# Altium PCB ASCII_LimeSDR-USB_1v4s.PcbDoc (part 2 of 10)
Units mm, origin at the board's own origin, x right, y up, seen from the top; angles counter-clockwise.
Board outline 100 x 60 mm, 12 copper layers (Top, L2, L3, L4, L5, L6, L7, L8, L9, L10, L11, Bottom), stack 1.58 mm thick; 858 components, 627 nets, 4058 pads, 2110 vias.
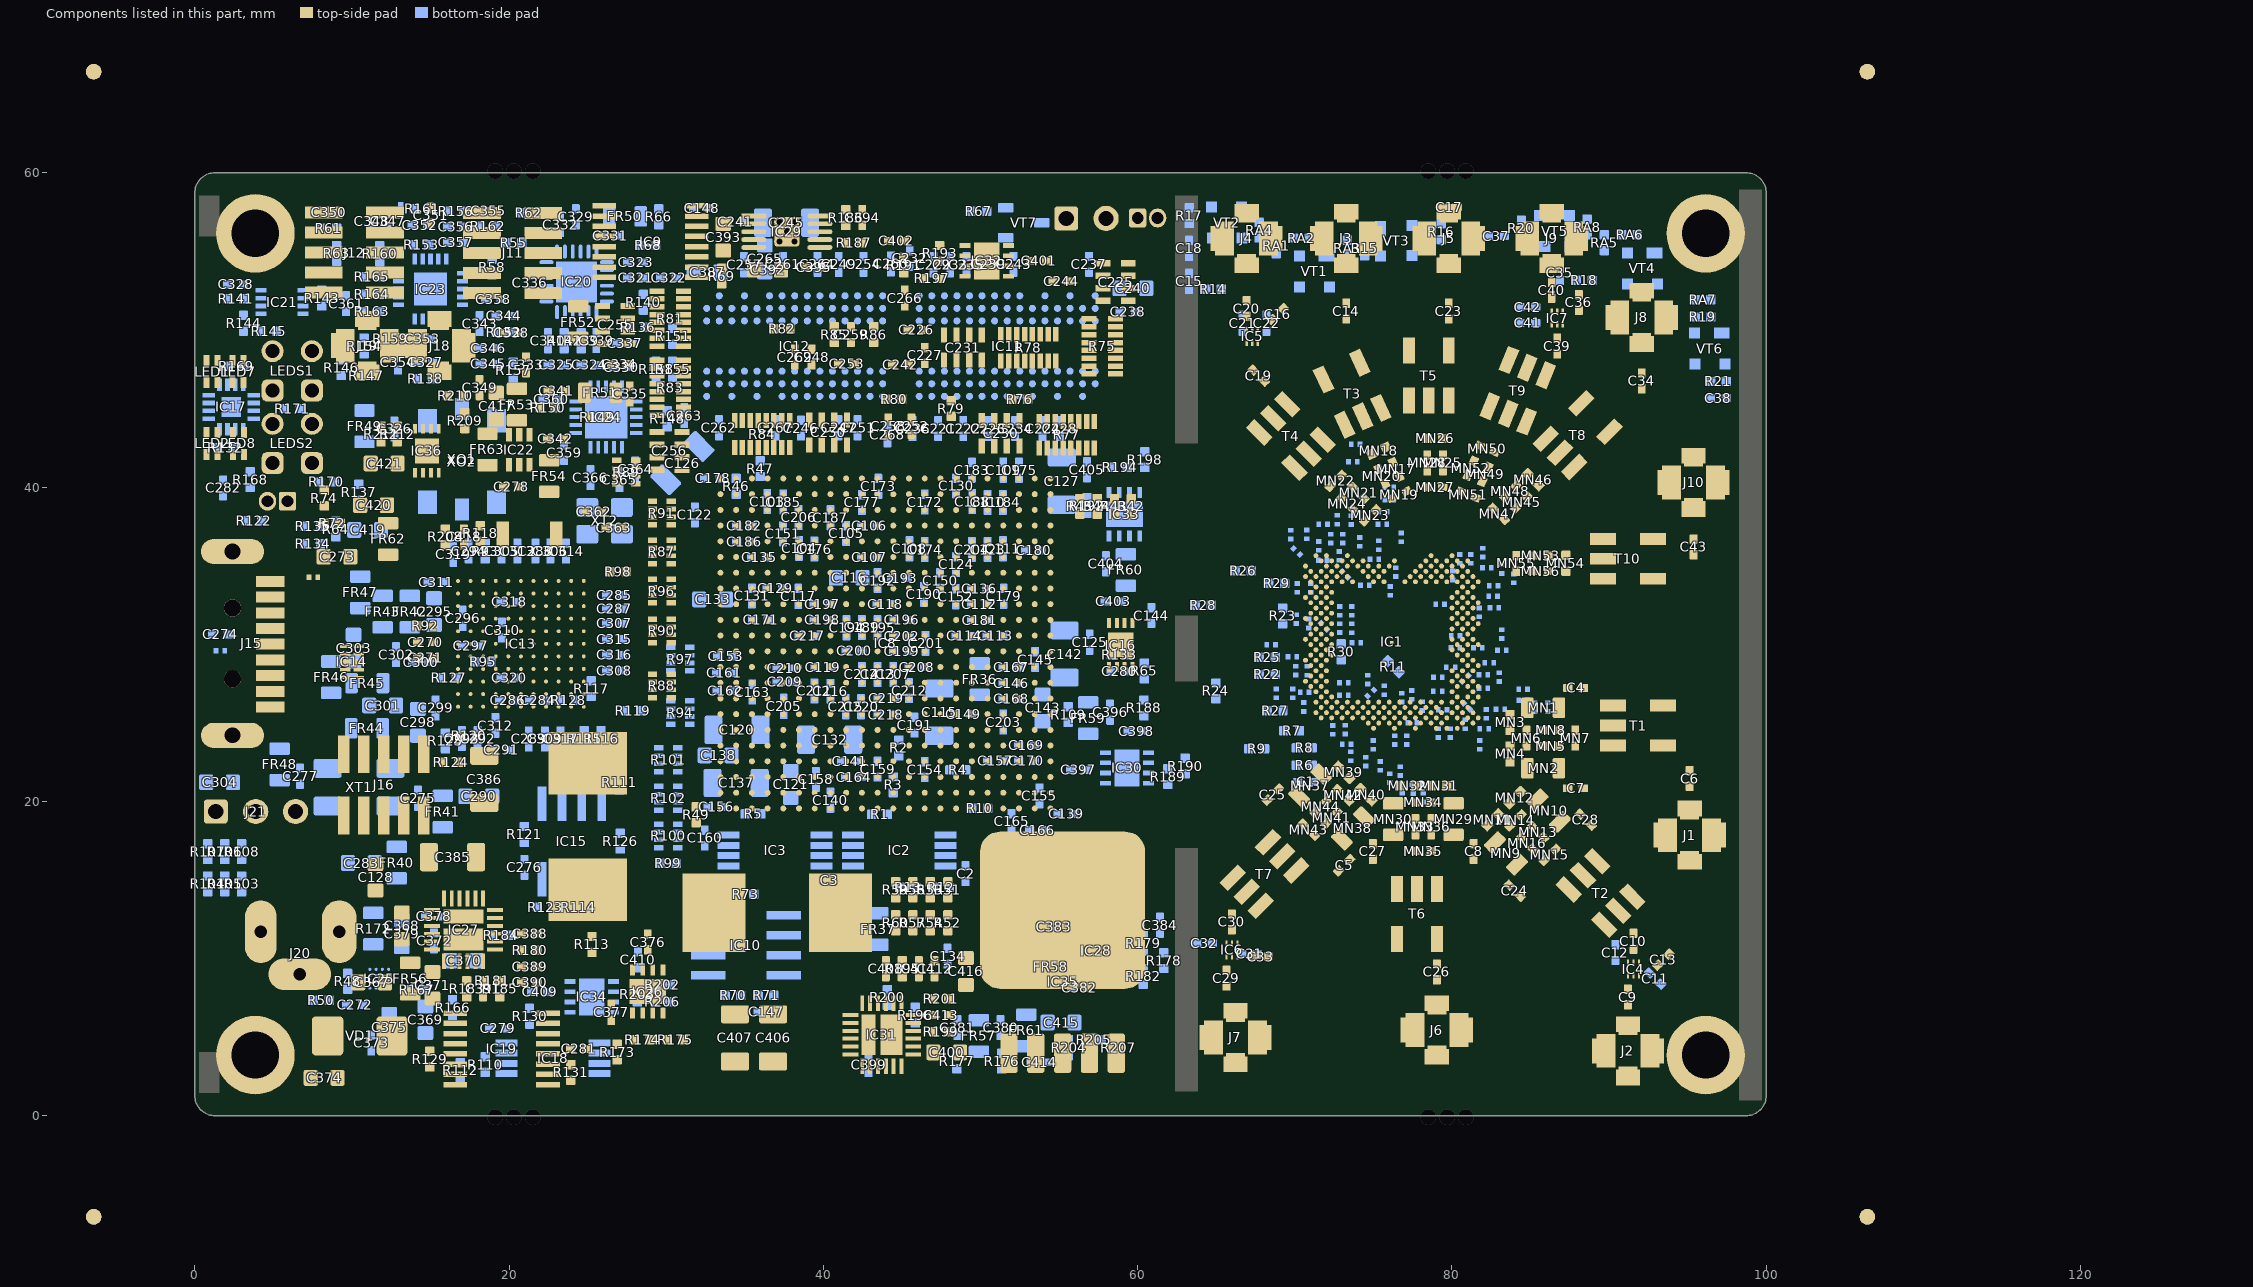
[diagram p10: the components of this part, seen from the top]

## Components (designator, comment, footprint, x,y, rotation, side; value= is the part's Value field where it differs from the comment) (continued)
C92 "1uF, 20%" CAP0201 74.463,33.744 r0 bottom
C93 "1uF, 20%" CAP0201 80.486,35.434 r90 bottom
C94 "1uF, 20%" CAP0201 79.926,28.526 r180 bottom
C95 "1uF, 20%" CAP0201 72.276,36.719 r90 bottom
C96 "1uF, 20%" CAP0201 71.796,37.644 r180 bottom
C97 "1uF, 20%" CAP0201 71.771,35.339 r180 bottom
C98 "1uF, 20%" CAP0201 71.525,36.255 r90 bottom
C99 "1uF, 20%" CAP0201 70.123,35.902 r315 bottom
C100 "1uF, 20%" CAP0201 79.251,32.544 r180 bottom
C101 "1uF, 20%" CAP0201 81.75,32.027 r270 bottom
C102 "1uF, 20%" CAP0201 82.651,33.719 r0 bottom
C103 "100nF, 16V" CAP0402#1 36.425,39.075 r270 bottom
C104 "100nF, 16V" CAP0402#1 38.45,36.1 r270 bottom
C105 "100nF, 16V" CAP0402#1 41.45,37.05 r270 bottom
C106 "100nF, 16V" CAP0402#1 42.925,37.525 r0 bottom
C107 "100nF, 16V" CAP0402#1 42.925,35.525 r180 bottom
C108 "100nF, 16V" CAP0402#1 45.475,36.075 r270 bottom
C109 "100nF, 16V" CAP0402#1 51.45,41.075 r90 bottom
C110 "100nF, 16V" CAP0402#1 50.45,39.025 r90 bottom
C111 "100nF, 16V" CAP0402#1 51.425,36.075 r90 bottom
C112 "100nF, 16V" CAP0402#1 49.925,32.55 r0 bottom
C113 "100nF, 16V" CAP0402#1 50.925,30.525 r0 bottom
C114 "100nF, 16V" CAP0402#1 48.95,30.525 r180 bottom
C115 "220uF, 4V" CAP1206#1 47.375,25.675 r90 bottom
C116 "10uF, 6.3V" CAP0603#1 41.65,34.225 r0 bottom
C117 "4.7uF, 6.3V" CAP0402#1 38.4,33.05 r90 bottom
C118 "1uF, 10V" CAP0402#1 43.925,32.55 r180 bottom
C119 "100nF, 16V" CAP0402#1 39.975,28.55 r180 bottom
C120 "220uF, 4V" CAP1206#1 34.5,24.55 r0 bottom
C121 "10uF, 6.3V" CAP0603#1 37.925,21.075 r90 bottom
C122 "4.7uF, 6.3V" CAP0402#1 31.825,38.225 r270 bottom
C123 "1uF, 10V" CAP0402#1 50.45,36.025 r90 bottom
C124 "100nF, 16V" CAP0402#1 48.45,35.075 r90 bottom
C125 "100nF, 16V" CAP0402#1 56.95,30.125 r90 bottom
C126 "220uF, 4V" CAP1206#1 31.025,41.525 r45 bottom
C127 "100uF, 6.3V" CAP1206#1 55.175,40.375 r270 bottom
C128 "10uF, 6.3V" CAP0603#2 11.5,15.175 r270 top
C129 "4.7uF, 6.3V" CAP0402#1 36.925,33.575 r180 bottom
C130 "1uF, 10V" CAP0402#1 48.45,40.075 r90 bottom
C131 "100nF, 16V" CAP0402#1 35.45,33.075 r270 bottom
C132 "100uF, 6.3V" CAP1206#1 40.4,23.925 r180 bottom
C133 "10uF, 6.3V" CAP0603#1 32.95,32.85 r0 bottom
C134 "4.7uF, 6.3V" CAP0402#1 47.9,10.15 r90 bottom
C135 "1uF, 10V" CAP0402#1 35.925,35.525 r0 bottom
C136 "100nF, 16V" CAP0402#1 49.925,33.525 r0 bottom
C137 "100uF, 6.3V" CAP1206#1 34.45,21.175 r0 bottom
C138 "10uF, 6.3V" CAP0603#1 33.3,22.925 r0 bottom
C139 "4.7uF, 6.3V" CAP0402#1 55.45,19.2 r180 bottom
C140 "1uF, 10V" CAP0402#1 40.45,20.075 r90 bottom
C141 "100nF, 16V" CAP0402#1 41.675,22.55 r0 bottom
C142 "100uF, 6.3V" CAP1206#1 55.35,29.375 r270 bottom
C143 "10uF, 6.3V" CAP0603#1 53.95,25.95 r270 bottom
C144 "4.7uF, 6.3V" CAP0402#1 60.875,31.825 r90 bottom
C145 "1uF, 10V" CAP0402#1 53.475,29.025 r270 bottom
C146 "100nF, 16V" CAP0402#1 51.95,27.525 r0 bottom
C147 "100nF, 16V" CAP0402#1 36.35,6.6 r0 bottom
C148 "100nF, 16V" CAP0402#1 32.25,57.75 r0 bottom
C149 "100nF, 16V" CAP0402#1 48.9,25.55 r180 bottom
C150 "100nF, 16V" CAP0402#1 47.425,34.05 r90 bottom
C151 "100nF, 16V" CAP0402#1 37.425,37.025 r90 bottom
C152 "100nF, 16V" CAP0402#1 48.425,33.025 r270 bottom
C153 "100nF, 16V" CAP0402#1 33.775,29.225 r180 bottom
C154 "100nF, 16V" CAP0402#1 46.45,22.025 r270 bottom
C155 "100nF, 16V" CAP0402#1 53.75,20.35 r90 bottom
C156 "100nF, 16V" CAP0402#1 33.175,19.65 r180 bottom
C157 "100nF, 16V" CAP0402#1 50.95,22.575 r0 bottom
C158 "100nF, 16V" CAP0402#1 39.525,21.4 r270 bottom
C159 "100nF, 16V" CAP0402#1 43.45,22.05 r270 bottom
C160 "100nF, 16V" CAP0402#1 32.45,17.675 r270 bottom
C161 "100nF, 16V" CAP0402#1 33.7,28.175 r180 bottom
C162 "100nF, 16V" CAP0402#1 33.75,27.05 r180 bottom
C163 "100nF, 16V" CAP0402#1 35.475,26.95 r90 bottom
C164 "100nF, 16V" CAP0402#1 41.925,21.55 r0 bottom
C165 "100nF, 16V" CAP0402#1 51.975,18.725 r270 bottom
C166 "100nF, 16V" CAP0402#1 53.625,18.175 r0 bottom
C167 "100nF, 16V" CAP0402#1 51.95,28.525 r0 bottom
C168 "100nF, 16V" CAP0402#1 51.95,26.525 r0 bottom
C169 "100nF, 16V" CAP0402#1 52.925,23.575 r0 bottom
C170 "100nF, 16V" CAP0402#1 52.925,22.575 r0 bottom
C171 "100nF, 16V" CAP0402#1 36,31.55 r180 bottom
C172 "100nF, 16V" CAP0402#1 46.45,39.05 r90 bottom
C173 "100nF, 16V" CAP0402#1 43.5,40.05 r90 bottom
C174 "100nF, 16V" CAP0402#1 46.45,36.025 r270 bottom
C175 "100nF, 16V" CAP0402#1 52.45,41.075 r90 bottom
C176 "100nF, 16V" CAP0402#1 39.425,36.05 r270 bottom
C177 "100nF, 16V" CAP0402#1 42.45,39.025 r90 bottom
C178 "100nF, 16V" CAP0402#1 32.95,40.55 r180 bottom
C179 "100nF, 16V" CAP0402#1 51.475,33.05 r270 bottom
C180 "100nF, 16V" CAP0402#1 53.375,35.975 r0 bottom
C181 "100nF, 16V" CAP0402#1 49.95,31.525 r180 bottom
C182 "100nF, 16V" CAP0402#1 34.975,37.525 r180 bottom
C183 "100nF, 16V" CAP0402#1 49.45,41.075 r90 bottom
C184 "100nF, 16V" CAP0402#1 51.425,39.025 r90 bottom
C185 "100nF, 16V" CAP0402#1 37.45,39.05 r90 bottom
C186 "100nF, 16V" CAP0402#1 34.975,36.525 r180 bottom
C187 "100nF, 16V" CAP0402#1 40.45,38.05 r270 bottom
C188 "100nF, 16V" CAP0402#1 49.475,39.075 r90 bottom
C189 "100nF, 16V" CAP0402#1 42.45,31.075 r270 bottom
C190 "100nF, 16V" CAP0402#1 46.4,33.175 r90 bottom
C191 "100nF, 16V" CAP0402#1 45.8,24.85 r270 bottom
C192 "100nF, 16V" CAP0402#1 43.45,34.05 r90 bottom
C193 "100nF, 16V" CAP0402#1 44.85,34.2 r180 bottom
C194 "100nF, 16V" CAP0402#1 41.475,31.05 r270 bottom
C195 "100nF, 16V" CAP0402#1 43.45,31.05 r270 bottom
C196 "100nF, 16V" CAP0402#1 45,31.55 r180 bottom
C197 "100nF, 16V" CAP0402#1 39.925,32.55 r180 bottom
C198 "100nF, 16V" CAP0402#1 39.925,31.55 r180 bottom
C199 "100nF, 16V" CAP0402#1 44.975,29.55 r180 bottom
C200 "100nF, 16V" CAP0402#1 41.95,29.575 r0 bottom
C201 "100nF, 16V" CAP0402#1 46.5,30.05 r270 bottom
C202 "100nF, 16V" CAP0402#1 44.975,30.5 r180 bottom
C203 "100nF, 16V" CAP0402#1 51.45,25.05 r90 bottom
C204 "100nF, 16V" CAP0402#1 49.45,36.025 r90 bottom
C205 "100nF, 16V" CAP0402#1 37.475,26.05 r90 bottom
C206 "100nF, 16V" CAP0402#1 38.425,38.075 r90 bottom
C207 "100nF, 16V" CAP0402#1 44.45,28.075 r90 bottom
C208 "100nF, 16V" CAP0402#1 45.95,28.55 r0 bottom
C209 "100nF, 16V" CAP0402#1 37.55,27.6 r180 bottom
C210 "100nF, 16V" CAP0402#1 37.55,28.475 r180 bottom
C211 "100nF, 16V" CAP0402#1 39.425,27.025 r270 bottom
C212 "100nF, 16V" CAP0402#1 45.45,27.05 r270 bottom
C213 "100nF, 16V" CAP0402#1 43.45,28.075 r90 bottom
C214 "100nF, 16V" CAP0402#1 42.45,28.075 r90 bottom
C215 "100nF, 16V" CAP0402#1 41.425,26.025 r270 bottom
C216 "100nF, 16V" CAP0402#1 40.45,27 r270 bottom
C217 "100nF, 16V" CAP0402#1 38.975,30.525 r180 bottom
C218 "100nF, 16V" CAP0402#1 43.975,25.525 r180 bottom
C219 "100nF, 16V" CAP0402#1 44,26.55 r180 bottom
C220 "100nF, 16V" CAP0402#1 42.4,26.025 r90 bottom
C221 "100nF, 16V" CAP0402#1 47.3,43.725 r270 bottom
C222 "100nF, 16V" CAP0402#1 48.9,43.725 r270 bottom
C223 "100nF, 16V" CAP0402#1 50.5,43.725 r270 bottom
C224 "100nF, 16V" CAP0402#1 53.95,43.725 r270 bottom
C225 "0.1uF" CKCA43X7R1C104M100AA 58.6,53.05 r180 top
C226 "100nF, 16V" CAP0402#2 45.9,50 r180 top
C227 "100nF, 16V" CAP0402#2 46.45,48.375 r90 top
C228 "100nF, 16V" CAP0402#1 55.05,43.725 r270 bottom
C229 "100nF, 16V" CAP0402#1 47,54.15 r90 bottom
C230 "0.1uF" CKCA43X7R1C104M100AA 51.275,43.425 r90 top
C231 "0.1uF" CKCA43X7R1C104M100AA 48.875,48.875 r90 top
C232 "100nF, 16V" CAP0402#1 45.5,54.55 r90 bottom
C233 "100nF, 16V" CAP0402#1 48.075,54.15 r90 bottom
C234 "100nF, 16V" CAP0402#1 52.2,43.725 r270 bottom
C235 "100nF, 16V" CAP0402#1 49.1,54.15 r90 bottom
C236 "100nF, 16V" CAP0402#1 45.675,43.725 r270 bottom
C237 "100nF, 16V" CAP0402#1 56.9,54.175 r90 bottom
C238 "100nF, 16V" CAP0402#1 59.375,51.15 r0 bottom
C239 "100nF, 16V" CAP0402#1 50.5,54.175 r90 bottom
C240 "10uF, 6.3V" CAP0603#1 59.7,52.65 r180 bottom
C241 "4.7uF, 6.3V" CAP0402#1 34.4,56.875 r0 bottom
C242 "1uF, 10V" CAP0402#2 44.9,47.8 r0 top
C243 "100nF, 16V" CAP0402#1 52.1,54.175 r90 bottom
C244 "100nF, 16V" CAP0402#2 55.125,53.1 r0 top
C245 "220uF, 4V" CAP1206#1 37.65,56.825 r180 bottom
C246 "100nF, 16V" CAP0402#1 38.575,43.75 r270 bottom
C247 "100nF, 16V" CAP0402#1 40.975,43.775 r270 bottom
C248 "100nF, 16V" CAP0402#2 39.25,48.275 r90 top
C249 "100nF, 16V" CAP0402#1 40.975,54.175 r90 bottom
C250 "0.1uF" CKCA43X7R1C104M100AA 40.3,43.475 r90 top
C251 "100nF, 16V" CAP0402#1 42.175,43.775 r270 bottom
C252 "100nF, 16V" CAP0402#2 45.6,43.875 r270 top
C253 "100nF, 16V" CAP0402#2 41.475,47.85 r180 top
C254 "100nF, 16V" CAP0402#1 42.55,54.175 r90 bottom
C255 "0.1uF" CKCA43X7R1C104M100AA 26.75,50.325 r180 top
C256 "0.1uF" CKCA43X7R1C104M100AA 30.2,42.3 r0 top
C257 "100nF, 16V" CAP0402#1 34.95,54.15 r90 bottom
C258 "100nF, 16V" CAP0402#2 44.125,43.875 r270 top
C259 "100nF, 16V" CAP0402#2 41.75,49.7 r270 top
C260 "100nF, 16V" CAP0402#1 44.3,54.2 r90 bottom
C261 "100nF, 16V" CAP0402#1 37.425,54.175 r90 bottom
C262 "100nF, 16V" CAP0402#1 33.35,43.775 r270 bottom
C263 "100nF, 16V" CAP0402#1 31.15,44.55 r270 bottom
C264 "100nF, 16V" CAP0402#1 39.625,54.175 r90 bottom
C265 "10uF, 6.3V" CAP0603#1 36.275,54.525 r270 bottom
C266 "4.7uF, 6.3V" CAP0402#2 45.175,52.025 r90 top
C267 "1uF, 10V" CAP0402#1 36.95,43.775 r90 bottom
C268 "100nF, 16V" CAP0402#1 44.075,43.325 r270 bottom
C269 "100nF, 16V" CAP0402#2 38.175,48.275 r90 top
C270 "100nF, 16V" CAP0402#2 14.675,30.125 r0 top
C271 "100nF, 16V" CAP0402#2 14.675,29.125 r180 top
C272 "100nF, 16V" CAP0402#1 10.175,7.05 r180 bottom
C273 "1uF, 16V" CAP0603#2 9.05,35.575 r180 top
C274 "100nF, 16V" CAP0402#1 1.625,30.625 r0 bottom
C275 "13pF, 5%" CAP0402#1 14.2,20.2 r270 bottom
C276 "100nF, 16V" CAP0402#1 20.975,15.8 r270 bottom
C277 "13pF, 5%" CAP0402#1 6.7,21.6 r90 bottom
C278 "100nF, 16V" CAP0402#2 20.15,40.025 r0 top
C279 "100nF, 16V" CAP0402#1 19.275,5.55 r180 bottom
C280 "100nF, 16V" CAP0402#1 58.825,28.275 r0 bottom
C281 "100nF, 16V" CAP0402#2 24.425,4.25 r0 top
C282 "100nF, 16V" CAP0402#1 1.8,39.95 r270 bottom
C283 "22uF, 10V" CAP0603#1 10.6,16.075 r0 bottom
C284 "100nF, 16V" CAP0402#1 21.825,26.425 r0 bottom
C285 "100nF, 16V" CAP0402#1 26.7,33.125 r0 bottom
C286 "10nF, 10%" CAP0402#1 19.9,26.425 r0 bottom
C287 "10nF, 10%" CAP0402#1 26.7,32.25 r180 bottom
C288 "100nF, 16V" CAP0402#1 21.675,35.925 r90 bottom
C289 "10nF, 10%" CAP0402#1 21.25,23.975 r90 bottom
C290 "22uF, 10V" CAP0603#1 18.075,20.325 r180 bottom
C291 "100nF, 16V" CAP0402#1 19.5,23.275 r0 bottom
C292 "10nF, 10%" CAP0402#1 18,24 r90 bottom
C293 "100nF, 16V" CAP0402#1 17,24 r270 bottom
C294 "10nF, 10%" CAP0402#1 17.425,35.925 r270 bottom
C295 "10uF, 6.3V" CAP0603#1 15.225,32.075 r270 bottom
C296 "100nF, 16V" CAP0402#1 17.05,31.65 r90 bottom
C297 "10nF, 10%" CAP0402#1 17.55,29.9 r180 bottom
C298 "22uF, 10V" CAP0603#1 14.2,25.025 r90 bottom
C299 "100nF, 16V" CAP0402#1 15.325,25.95 r270 bottom
C300 "100nF, 16V" CAP0402#1 14.375,28.85 r180 bottom
C301 "22uF, 10V" CAP0603#1 11.95,26.1 r0 bottom
C302 "100nF, 16V" CAP0402#1 12.81,29.335 r270 bottom
C303 "22uF, 10V" CAP0603#1 10.1,29.75 r90 bottom
C304 "22uF, 10V" CAP0603#1 1.575,21.212 r0 bottom
C305 "100nF, 16V" CAP0402#1 19.525,35.925 r90 bottom
C306 "100nF, 16V" CAP0402#1 22.625,35.925 r90 bottom
C307 "100nF, 16V" CAP0402#1 26.7,31.325 r0 bottom
C308 "100nF, 16V" CAP0402#1 26.7,28.325 r0 bottom
C309 "100nF, 16V" CAP0402#1 22.275,23.975 r270 bottom
C310 "100nF, 16V" CAP0402#1 19.55,30.9 r270 bottom
C311 "100nF, 16V" CAP0402#1 15.35,33.95 r180 bottom
C312 "100nF, 16V" CAP0402#1 19.125,24.825 r270 bottom
C313 "10nF, 10%" CAP0402#1 20.525,35.925 r270 bottom
C314 "10nF, 10%" CAP0402#1 23.625,35.925 r270 bottom
C315 "10nF, 10%" CAP0402#1 26.7,30.325 r180 bottom
C316 "10nF, 10%" CAP0402#1 26.7,29.325 r180 bottom
C317 "10nF, 10%" CAP0402#1 23.275,23.975 r90 bottom
C318 "10nF, 10%" CAP0402#1 20,32.7 r180 bottom
C319 "10nF, 10%" CAP0402#1 16.45,35.725 r270 bottom
C320 "10nF, 10%" CAP0402#1 20,27.875 r180 bottom
C321 "100nF, 16V" CAP0402#1 28.05,53.313 r0 bottom
C322 "100nF, 16V" CAP0402#1 30.15,53.313 r0 bottom
C323 "100nF, 16V" CAP0402#1 28.05,54.313 r180 bottom
C324 "47pF" CAP0402#1 25.1,47.775 r180 bottom
C325 "47pF" CAP0402#1 23,47.775 r0 bottom
C326 "1uF, 10V" CAP0402#1 12.7,43.7 r90 bottom
C327 "100nF, 16V" CAP0402#1 14.65,47.95 r180 bottom
C328 "100nF, 16V" CAP0402#1 2.6,52.9 r0 bottom
C329 "1uF, 10V" CAP0402#1 24.25,57.2 r270 bottom
C330 "100nF, 16V" CAP0402#1 27.15,47.625 r0 bottom
C331 "100pF, 50V" CAP0402#1 26.45,56 r180 bottom
C332 "100pF, 50V" CAP0402#1 23.25,56.7 r270 bottom
C333 "1uF, 10V" CAP0402#2 21.075,47.775 r90 top
C334 "1uF, 10V" CAP0402#2 27.025,47.825 r0 top
C335 "100nF, 16V" CAP0402#2 27.675,45.925 r90 top
C336 "100pF, 50V" CAP0402#1 21.3,53 r270 bottom
C337 "100pF, 50V" CAP0402#1 27.35,49.15 r0 bottom
C338 "100nF, 16V" CAP0402#2 20.15,49.825 r0 top
C339 "100pF, 50V" CAP0402#1 25.55,49.325 r90 bottom
C340 "100pF, 50V" CAP0402#1 22.475,49.313 r90 bottom
C341 "1uF, 10V" CAP0402#2 23,46.125 r180 top
C342 "100nF, 16V" CAP0402#2 22.95,43.075 r0 top
C343 "100pF, 50V" CAP0402#1 18.125,50.4 r270 bottom
C344 "100pF, 50V" CAP0402#1 19.675,50.9 r0 bottom
C345 "100nF, 16V" CAP0402#1 18.675,47.85 r180 bottom
C346 "100nF, 16V" CAP0402#1 18.675,48.85 r180 bottom
C347 "100pF, 50V" CAP0402#1 12.275,56.925 r90 bottom
C348 "100pF, 50V" CAP0402#1 11.275,56.925 r90 bottom
C349 "100pF, 50V" CAP0402#2 18.125,46.325 r270 top
C350 "100pF, 50V" CAP0402#1 8.525,57.5 r180 bottom
C351 "100pF, 50V" CAP0402#2 15,57.3 r270 top
C352 "100nF, 16V" CAP0402#1 14.325,56.675 r180 bottom
C353 "1nF, 10%" CAP0402#1 14.475,49.425 r0 bottom
C354 "1nF, 10%" CAP0402#1 12.925,47.95 r90 bottom
C355 "22pF, 5%" CAP0402#1 18.675,57.575 r180 bottom
C356 "22pF, 5%" CAP0402#1 16.6,56.575 r180 bottom
C357 "22pF, 5%" CAP0402#1 16.6,55.575 r180 bottom
C358 "220pF, 10%" CAP0402#1 19,51.95 r0 bottom
C359 "100nF, 16V" CAP0402#1 23.5,42.2 r270 bottom
C360 "100nF, 16V" CAP0402#1 22.675,45.575 r180 bottom
C361 "10pF, 25V" CAP0402#1 9.625,51.675 r270 bottom
C362 "10pF, 25V" CAP0402#2 25.4,38.425 r180 top
C363 "10pF, 25V" CAP0402#2 26.675,37.425 r0 top
C364 "100nF, 16V" CAP0402#1 28.025,41.15 r270 bottom
C365 "100nF, 16V" CAP0402#1 27.025,40.475 r270 bottom
C366 "100nF, 16V" CAP0402#1 25.175,40.6 r270 bottom
C367 "10uF, 25V" CAP0603#2 11.25,8.475 r0 top
C368 "10uF, 25V" CAP0603#2 13.175,12.075 r270 top
C369 "10uF, 25V" CAP0603#1 14.675,6.1 r90 bottom
C370 "10uF, 25V" CAP0603#1 17.1,9.85 r180 bottom
C371 "10uF, 25V" CAP0603#2 15.125,8.3 r90 top
C372 "100nF, 16V" CAP0402#1 15.225,11.125 r90 bottom
C373 "100nF, 16V" CAP0402#1 11.225,4.625 r90 bottom
C374 "10uF, 25V" CAP0603#2 8.225,2.4 r180 top
C375 "10uF, 16V" CAP0603#1 12.375,5.625 r90 bottom
C376 "4.7uF, 6.3V" CAP0402#2 28.825,11.05 r270 top
C377 "4.7uF, 6.3V" CAP0402#2 26.5,6.575 r270 top
C378 "100nF, 16V" CAP0402#1 15.2,12.675 r0 bottom
C379 "10uF, 25V" CAP0603#1 13.175,11.575 r270 bottom
C380 "1uF, 10V" CAP0402#1 51.275,5.6 r90 bottom
C381 "100nF, 16V" CAP0402#1 48.525,5.6 r270 bottom
C382 "1uF, 10V" CAP0402#1 56.29,8.139 r180 bottom
C383 "4.7uF, 6.3V" CAP0402#1 54.665,12.014 r270 bottom
C384 "4.7uF, 6.3V" CAP0402#1 61.415,12.114 r270 bottom
C385 "100uF, 6.3V" CAP1206#2 16.4,16.45 r0 top
C386 "100uF, 6.3V" CAP1206#2 18.425,21.4 r270 top
C387 "10uF, 6.3V" CAP0603#1 32.6,53.675 r0 bottom
C388 "1uF, 10V" CAP0402#2 21.3,11.575 r0 top
C389 "4.7pF, 50V" CAP0402#2 21.3,9.475 r0 top
C390 "1200pF, 50V" CAP0402#2 21.3,8.475 r0 top
C391 "22nF, 50V" CAP0402#2 18.35,8.075 r270 top
C392 "10uF, 6.3V" CAP0603#2 36.45,53.825 r180 top
C393 "10uF, 6.3V" CAP0603#2 33.625,55.9 r90 top
C394 "1uF, 10V" CAP0402#2 42.475,57.15 r90 top
C395 "100nF, 16V" CAP0402#2 39.375,53.975 r180 top
C396 "1uF, 10V" CAP0402#1 58.25,25.675 r90 bottom
C397 "4.7uF, 6.3V" CAP0402#1 56.225,22 r0 bottom
C398 "4.7uF, 6.3V" CAP0402#1 59.9,24.475 r0 bottom
C399 "100nF, 16V" CAP0402#1 42.875,3.25 r90 bottom
C400 "10uF, 25V" CAP0603#2 47.85,4.025 r180 top
C401 "4.7uF, 6.3V" CAP0402#2 53.71,54.4 r180 top
C402 "4.7uF, 6.3V" CAP0402#2 44.65,55.675 r0 top
C403 "1uF, 10V" CAP0402#1 58.45,32.725 r0 bottom
C404 "4.7uF, 6.3V" CAP0402#1 57.975,35.125 r90 bottom
C405 "4.7uF, 6.3V" CAP0402#1 56.775,41.1 r270 bottom
C406 "220uF, 4V" CAP1206#2 36.8,4.95 r90 top
C407 "220uF, 4V" CAP1206#2 34.375,4.95 r90 top
C408 "1uF, 10V" CAP0402#2 43.975,9.35 r90 top
C409 "4.7uF, 6.3V" CAP0402#1 21.95,7.875 r0 bottom
C410 "4.7uF, 6.3V" CAP0402#1 28.2,9.925 r270 bottom
C411 "68pF, 25V" CAP0402#2 46.075,9.35 r90 top
C412 "1500pF, 50V" CAP0402#2 47.075,9.35 r90 top
C413 "22nF, 50V" CAP0402#2 47.475,6.4 r0 top
C414 "4.7uF, 6.3V" CAP0402#1 53.725,3.4 r180 bottom
C415 "10uF, 6.3V" CAP0603#1 55.125,5.925 r0 bottom
C416 "10uF, 16V" CAP0603#2 49.075,9.175 r270 top
C417 "10uF, 6.3V" CAP0603#2 19.175,45.15 r270 top
C418 "4.7uF, 6.3V" CAP0402#2 17.125,36.825 r90 top
C419 "10uF, 25V" CAP0603#1 11,37.275 r0 bottom
C420 "10uF, 25V" CAP0603#2 11.375,38.85 r0 top
C421 "10uF, 25V" CAP0603#2 12.05,41.5 r0 top
F1 "Fiducial" Fiducial -6.437,-6.437 r0 top
F2 "Fiducial" Fiducial -6.437,66.437 r0 top
F3 "Fiducial" Fiducial 106.437,-6.437 r0 top
F4 "Fiducial" Fiducial 106.437,66.437 r0 top
FR1 "600R, 0.27A" RES0201 79.901,24.344 r270 bottom
FR2 "600R, 0.27A" RES0201 72.401,24.544 r90 bottom
FR3 "600R, 0.27A" RES0201 76.7,21.92 r270 bottom
FR4 "600R, 0.27A" RES0201 73.126,27.544 r0 bottom
FR5 "600R, 0.27A" RES0201 73.87,42.725 r0 bottom
FR6 "600R, 0.27A" RES0201 77.72,21.089 r180 bottom
FR7 "600R, 0.27A" RES0201 76.839,20.805 r90 bottom
FR8 "600R, 0.27A" RES0201 77.476,24.994 r0 bottom
FR9 "600R, 0.27A" RES0201 83.156,30.649 r270 bottom
FR10 "600R, 0.27A" RES0201 84.53,26.425 r180 bottom
FR11 "600R, 0.27A" RES0201 77.126,23.894 r270 bottom
FR12 "600R, 0.27A" RES0201 83.081,25.849 r0 bottom
FR13 "600R, 0.27A" RES0201 75.443,22.252 r270 bottom
FR14 "600R, 0.27A" RES0201 78.126,26.062 r90 bottom
FR15 "600R, 0.27A" RES0201 73.601,37.899 r90 bottom
FR16 "600R, 0.27A" RES0201 80.23,30.525 r180 bottom
FR17 "600R, 0.27A" RES0201 75.001,23.594 r270 bottom
FR18 "600R, 0.27A" RES0201 80.225,29.775 r180 bottom
FR19 "600R, 0.27A" RES0201 76.776,36.794 r90 bottom
FR20 "600R, 0.27A" RES0201 80.849,24.906 r90 bottom
FR21 "600R, 0.27A" RES0201 82.374,28.806 r180 bottom
FR22 "600R, 0.27A" RES0201 75.331,36.299 r90 bottom
FR23 "600R, 0.27A" RES0201 83.926,34.194 r90 bottom
FR24 "600R, 0.27A" RES0201 76.013,39.982 r180 bottom
FR25 "600R, 0.27A" RES0201 73.7,41.6 r180 bottom
FR26 "600R, 0.27A" RES0201 73.201,34.444 r135 bottom
FR27 "600R, 0.27A" RES0201 81.946,35.83 r270 bottom
FR28 "600R, 0.27A" RES0201 81.191,35.434 r270 bottom
FR29 "600R, 0.27A" RES0201 73.051,36.719 r90 bottom
FR30 "600R, 0.27A" RES0201 81.649,29.781 r180 bottom
FR31 "600R, 0.27A" RES0201 72.826,35.619 r90 bottom
FR32 "600R, 0.27A" RES0201 69.75,36.98 r90 bottom
FR33 "600R, 0.27A" RES0201 80.051,34.374 r90 bottom
FR34 "600R, 0.27A" RES0201 82.697,32.307 r0 bottom
FR35 "600R, 0.27A" RES0201 82.626,33.069 r0 bottom
FR36 "600R, 2A" RES0805#1 49.95,27.775 r270 bottom
FR37 "600R, 2A" RES0805#1 43.5,11.875 r90 bottom
FR38 "600R, 0.27A" RES0201 7.55,34.275 r0 top
FR39 "600R, 0.27A" RES0201 1.625,29.6 r180 bottom
FR40 "600R, 2A" RES0805#1 12.85,16.1 r90 bottom
FR41 "600R, 2A" RES0805#1 15.775,19.35 r90 bottom
FR42 "600R, 2A" RES0805#1 13.675,32.075 r90 bottom
FR43 "600R, 2A" RES0805#1 11.95,32.075 r90 bottom
FR44 "600R, 2A" RES0805#1 10.95,24.65 r180 bottom
FR45 "600R, 2A" RES0805#1 10.975,27.525 r180 bottom
FR46 "600R, 2A" RES0805#1 8.675,27.9 r270 bottom
FR47 "600R, 2A" RES0805#1 10.525,33.3 r90 bottom
FR48 "600R, 2A" RES0805#1 5.4,22.35 r270 bottom
FR49 "600R, 2A" RES0805#1 10.8,43.875 r90 bottom
FR50 "600R, 2A" RES0805#1 27.375,57.225 r180 bottom
FR51 "600R, 2A" RES0805#2 25.8,46.013 r0 top
FR52 "600R, 2A" RES0805#2 24.4,50.5 r270 top
FR53 "600R, 2A" RES0805#2 20.5,45.255 r90 top
FR54 "600R, 2A" RES0805#2 22.55,40.7 r90 top
FR55 "600R, 0.27A" RES0201 13.1,57.725 r270 bottom
FR56 "600R, 2A" RES0805#2 13.7,8.725 r270 top